# Allegro board 8880F5-0827_txbegin.brd (continued)
## Routing (per net, layer and track width the routed paths; a pad name or vN(x,y) marks a point on that pad's centre or on a via; arc(x,y) is an arc through that point) (continued)
; D122.B14 266.7,82.09 ; D122.B14 266.7,80.47 ; D128.B6 25.4,41.45 ; D128.B6 25.4,39.83 ; D128.B6 24.59,40.64 ; D128.B6 26.21,40.64 ; 184.71,83.82 D317.A11 ; D317.A11 185.42,84.53 ; D317.A11 186.13,83.82 ; D317.A11 185.42,83.11 ; D322.A1 233.68,64.21 ; D322.A1 232.97,63.5 ; D322.A1 234.39,63.5 ; D322.A1 233.68,62.79 ; D123.A13 264.16,54.15 ; D123.A13 263.35,53.34 ; D123.A13 264.16,52.53 ; D123.A13 264.97,53.34 ; 184.61,58.42 D119.B11 ; D119.B11 186.23,58.42 ; D119.B11 185.42,57.61 ; D119.B11 185.42,59.23 ; D305.A15 416.56,84.53 ; D305.A15 416.56,83.11 ; D305.A15 415.85,83.82 ; D305.A15 417.27,83.82 ; D114.A1 347.98,356.41 ; D114.A1 347.98,354.79 ; D114.A1 347.17,355.6 ; D114.A1 348.79,355.6 ; 190.5,409.4 DPS8.C05 ; DPS8.C05 190.5,411.02 ; DPS8.C05 191.31,410.21 ; DPS8.C05 189.69,410.21 ; D109.B7 407.21,330.2 ; D109.B7 406.4,329.39 ; D109.B7 406.4,331.01 ; D109.B7 405.59,330.2 ; D109.A4 414.83,332.74 ; D109.A4 413.21,332.74 ; D109.A4 414.02,331.93 ; D109.A4 414.02,333.55 ; 33.02,77.93 D126.B9 ; D126.B9 33.02,79.55 ; D126.B9 32.21,78.74 ; D126.B9 33.83,78.74 ; 30.48,39.83 D128.B8 ; D128.B8 31.29,40.64 ; D128.B8 30.48,41.45 ; D128.B8 29.67,40.64 ; D111.B16 384.35,368.3 ; D111.B16 383.54,369.11 ; D111.B16 383.54,367.49 ; D111.B16 382.73,368.3 ; D231.B7 185.42,371.65 ; D231.B7 184.61,370.84 ; D231.B7 185.42,370.03 ; D231.B7 186.23,370.84 ; D102.B3 313.23,78.74 ; D102.B3 311.61,78.74 ; D102.B3 312.42,79.55 ; D102.B3 312.42,77.93 ; D301.B3 312.42,89.61 ; D301.B3 313.13,88.9 ; D301.B3 312.42,88.19 ; D301.B3 311.71,88.9 ; 93.17,40.64 D132.B4 ; D132.B4 93.98,39.83 ; D132.B4 93.98,41.45 ; D132.B4 94.79,40.64 ; SITE1.G16 252.63,243.31 ; SITE1.G16 253.11,242.83 ; SITE1.G16 252.15,242.83 ; SITE1.G16 252.63,242.35 ; UNK4U1.4 482.59,186.05 ; UNK4U1.4 483.53,185.11 ; UNK4U1.4 481.65,185.11 ; UNK4U1.4 482.59,184.17 ; D125.B5 23.67,99.06 ; D125.B5 22.05,99.06 ; D125.B5 22.86,99.87 ; D125.B5 22.86,98.25 ; 265.89,332.74 CSDPS225.B4 ; CSDPS225.B4 266.7,331.93 ; CSDPS225.B4 267.51,332.74 ; CSDPS225.B4 266.7,333.55 ; D114.B1 348.79,350.52 ; D114.B1 347.98,349.71 ; D114.B1 347.17,350.52 ; D114.B1 347.98,351.33 ; 330.95,182.83 SITE4.G15 ; SITE4.G15 331.43,182.35 ; SITE4.G15 331.91,182.83 ; SITE4.G15 331.43,183.31 ; 165.1,375.11 D231.A15 ; D231.A15 165.91,375.92 ; D231.A15 165.1,376.73 ; D231.A15 164.29,375.92 ; D112.A16 384.35,393.7 ; D112.A16 382.73,393.7 ; D112.A16 383.54,394.51 ; D112.A16 383.54,392.89 ; SITE1.G2 249.81,241.33 ; SITE1.G2 248.85,241.33 ; SITE1.G2 249.33,240.85 ; SITE1.G2 249.33,241.81 ; D131.B15 122.73,58.42 ; D131.B15 121.11,58.42 ; D131.B15 121.92,59.23 ; D131.B15 121.92,57.61 ; 330.23,245.95 SITE2.G18 ; SITE2.G18 330.23,246.91 ; SITE2.G18 329.75,246.43 ; SITE2.G18 330.71,246.43 ; D122.B13 264.16,79.55 ; D122.B13 264.97,78.74 ; D122.B13 264.16,77.93 ; D122.B13 263.35,78.74 ; D120.B8 178.61,40.64 ; D120.B8 177.8,39.83 ; D120.B8 176.99,40.64 ; D120.B8 177.8,41.45 ; 180.34,67.87 D318.B9 ; D318.B9 179.63,68.58 ; D318.B9 180.34,69.29 ; D318.B9 181.05,68.58 ; 240.49,81.28 D122.B4 ; D122.B4 241.3,80.47 ; D122.B4 241.3,82.09 ; D122.B4 242.11,81.28 ; 195.58,380.19 D431.B3 ; D431.B3 194.77,381 ; D431.B3 195.58,381.81 ; D431.B3 196.39,381 ; D116.B15 313.23,391.16 ; D116.B15 312.42,391.97 ; D116.B15 312.42,390.35 ; D116.B15 311.61,391.16 ; D102.A13 337.82,74.47 ; D102.A13 337.01,73.66 ; D102.A13 337.82,72.85 ; D102.A13 338.63,73.66 ; CSDPS229.C15 165.1,331.01 ; CSDPS229.C15 165.1,329.39 ; CSDPS229.C15 164.29,330.2 ; CSDPS229.C15 165.91,330.2 ; 347.17,391.16 D116.B1 ; D116.B1 347.98,390.35 ; D116.B1 347.98,391.97 ; D116.B1 348.79,391.16 ; D104.B15 343.71,38.1 ; D104.B15 342.9,37.29 ; D104.B15 342.9,38.91 ; D104.B15 342.09,38.1 ; 406.4,395.43 D112.A7 ; D112.A7 407.21,396.24 ; D112.A7 406.4,397.05 ; D112.A7 405.59,396.24 ; D115.B11 322.58,371.65 ; D115.B11 321.77,370.84 ; D115.B11 322.58,370.03 ; D115.B11 323.39,370.84 ; D322.A8 251.46,66.75 ; D322.A8 251.46,65.33 ; D322.A8 252.17,66.04 ; D322.A8 250.75,66.04 ; D131.A14 120.19,55.88 ; D131.A14 119.38,55.07 ; D131.A14 119.38,56.69 ; D131.A14 118.57,55.88 ; 410.77,63.5 D306.A13 ; D306.A13 412.19,63.5 ; D306.A13 411.48,62.79 ; D306.A13 411.48,64.21 ; 387.81,388.62 D112.B14 ; D112.B14 388.62,387.81 ; D112.B14 389.43,388.62 ; D112.B14 388.62,389.43 ; D125.A16 51.61,96.52 ; D125.A16 49.99,96.52 ; D125.A16 50.8,95.71 ; D125.A16 50.8,97.33 ; D129.B15 121.92,99.87 ; D129.B15 121.92,98.25 ; D129.B15 121.11,99.06 ; D129.B15 122.73,99.06 ; CSDPS425.B6 262.43,342.9 ; CSDPS425.B6 260.81,342.9 ; CSDPS425.B6 261.62,342.09 ; CSDPS425.B6 261.62,343.71 ; D126.B12 40.64,82.09 ; D126.B12 39.83,81.28 ; D126.B12 40.64,80.47 ; D126.B12 41.45,81.28 ; 254,88.19 D321.B9 ; D321.B9 253.29,88.9 ; D321.B9 254,89.61 ; D321.B9 254.71,88.9 ; 40.64,100.79 D125.B12 ; D125.B12 39.83,101.6 ; D125.B12 40.64,102.41 ; D125.B12 41.45,101.6 ; D306.A7 396.24,64.21 ; D306.A7 395.53,63.5 ; D306.A7 396.95,63.5 ; D306.A7 396.24,62.79 ; 254,57.61 D123.B9 ; D123.B9 253.19,58.42 ; D123.B9 254,59.23 ; D123.B9 254.81,58.42 ; 413.21,353.06 D110.A4 ; D110.A4 414.02,352.25 ; D110.A4 414.02,353.87 ; D110.A4 414.83,353.06 ; SITE4.G5 332.81,181.33 ; SITE4.G5 331.85,181.33 ; SITE4.G5 332.33,181.81 ; SITE4.G5 332.33,180.85 ; D127.B3 17.78,59.23 ; D127.B3 18.59,58.42 ; D127.B3 16.97,58.42 ; D127.B3 17.78,57.61 ; D306.A14 414.02,66.75 ; D306.A14 413.31,66.04 ; D306.A14 414.02,65.33 ; D306.A14 414.73,66.04 ; 329.39,55.88 D103.A10 ; D103.A10 330.2,56.69 ; D103.A10 330.2,55.07 ; D103.A10 331.01,55.88 ; 253.33,247.45 SITE1.G12 ; SITE1.G12 253.81,247.93 ; SITE1.G12 252.85,247.93 ; SITE1.G12 253.33,248.41 ; 330.2,347.17 D114.B8 ; D114.B8 329.39,347.98 ; D114.B8 331.01,347.98 ; D114.B8 330.2,348.79 ; 189.79,83.82 D317.A13 ; D317.A13 190.5,84.53 ; D317.A13 191.21,83.82 ; D317.A13 190.5,83.11 ; D129.B16 124.46,102.41 ; D129.B16 125.27,101.6 ; D129.B16 123.65,101.6 ; D129.B16 124.46,100.79 ; 406.4,72.85 D106.A11 ; D106.A11 405.59,73.66 ; D106.A11 406.4,74.47 ; D106.A11 407.21,73.66 ; 392.89,60.96 D107.B6 ; D107.B6 393.7,60.15 ; D107.B6 394.51,60.96 ; D107.B6 393.7,61.77 ; D104.A16 346.25,35.56 ; D104.A16 344.63,35.56 ; D104.A16 345.44,36.37 ; D104.A16 345.44,34.75 ; 170.18,32.21 D120.A5 ; D120.A5 170.99,33.02 ; D120.A5 170.18,33.83 ; D120.A5 169.37,33.02 ; D113.B1 347.98,331.01 ; D113.B1 347.98,329.39 ; D113.B1 347.17,330.2 ; D113.B1 348.79,330.2 ; 326.85,370.84 D115.B9 ; D115.B9 327.66,371.65 ; D115.B9 327.66,370.03 ; D115.B9 328.47,370.84 ; DPS8.A11 175.26,416.1 ; DPS8.A11 174.45,415.29 ; DPS8.A11 176.07,415.29 ; DPS8.A11 175.26,414.48 ; 408.94,65.33 D306.A12 ; D306.A12 408.23,66.04 ; D306.A12 408.94,66.75 ; D306.A12 409.65,66.04 ; 518.92,202.51 S4_I2C.4 ; S4_I2C.4 519.86,203.45 ; S4_I2C.4 518.92,204.39 ; S4_I2C.4 517.98,203.45 ; D317.A8 178.51,86.36 ; D317.A8 177.09,86.36 ; D317.A8 177.8,85.65 ; D317.A8 177.8,87.07 ; D120.A3 165.1,33.83 ; D120.A3 165.91,33.02 ; D120.A3 164.29,33.02 ; D120.A3 165.1,32.21 ; D129.A5 97.33,93.98 ; D129.A5 96.52,94.79 ; D129.A5 96.52,93.17 ; D129.A5 95.71,93.98 ; D109.A5 412.29,335.28 ; D109.A5 411.48,334.47 ; D109.A5 410.67,335.28 ; D109.A5 411.48,336.09 ; DPS2.C15 312.42,411.02 ; DPS2.C15 313.23,410.21 ; DPS2.C15 311.61,410.21 ; DPS2.C15 312.42,409.4 ; D119.A13 190.5,54.15 ; D119.A13 190.5,52.53 ; D119.A13 189.69,53.34 ; D119.A13 191.31,53.34 ; 320.04,34.75 D104.A6 ; D104.A6 320.85,35.56 ; D104.A6 319.23,35.56 ; D104.A6 320.04,36.37 ; 347.17,396.24 D116.A1 ; D116.A1 347.98,397.05 ; D116.A1 348.79,396.24 ; D116.A1 347.98,395.43 ; D115.B7 332.74,371.65 ; D115.B7 331.93,370.84 ; D115.B7 332.74,370.03 ; D115.B7 333.55,370.84 ; D322.A2 236.22,66.75 ; D322.A2 236.22,65.33 ; D322.A2 236.93,66.04 ; D322.A2 235.51,66.04 ; D127.B1 12.7,59.23 ; D127.B1 13.51,58.42 ; D127.B1 12.7,57.61 ; D127.B1 11.89,58.42 ; 109.22,34.75 D132.A10 ; D132.A10 109.22,36.37 ; D132.A10 110.03,35.56 ; D132.A10 108.41,35.56 ; D318.B10 182.88,71.83 ; D318.B10 182.17,71.12 ; D318.B10 183.59,71.12 ; D318.B10 182.88,70.41 ; D115.A9 328.47,375.92 ; D115.A9 327.66,375.11 ; D115.A9 326.85,375.92 ; D115.A9 327.66,376.73 ; 320.04,387.81 D116.B12 ; D116.B12 319.23,388.62 ; D116.B12 320.85,388.62 ; D116.B12 320.04,389.43 ; 344.63,327.66 D113.B2 ; D113.B2 346.25,327.66 ; D113.B2 345.44,328.47 ; D113.B2 345.44,326.85 ; 259.08,37.29 D124.B11 ; D124.B11 259.89,38.1 ; D124.B11 258.27,38.1 ; D124.B11 259.08,38.91 ; 232.97,68.58 D322.B1 ; D322.B1 233.68,67.87 ; D322.B1 233.68,69.29 ; D322.B1 234.39,68.58 ; D107.A2 384.35,55.88 ; D107.A2 382.73,55.88 ; D107.A2 383.54,55.07 ; D107.A2 383.54,56.69 ; D108.B15 416.56,38.91 ; D108.B15 415.75,38.1 ; D108.B15 417.37,38.1 ; D108.B15 416.56,37.29 ; 172.01,86.36 D317.A6 ; D317.A6 172.72,87.07 ; D317.A6 172.72,85.65 ; D317.A6 173.43,86.36 ; D321.B3 238.76,89.61 ; D321.B3 238.76,88.19 ; D321.B3 238.05,88.9 ; D321.B3 239.47,88.9 ; D322.B16 271.78,71.83 ; D322.B16 272.49,71.12 ; D322.B16 271.78,70.41 ; D322.B16 271.07,71.12 ; 340.36,331.93 D113.A4 ; D113.A4 341.17,332.74 ; D113.A4 339.55,332.74 ; D113.A4 340.36,333.55 ; 390.35,53.34 D107.A5 ; D107.A5 391.16,52.53 ; D107.A5 391.97,53.34 ; D107.A5 391.16,54.15 ; 251.46,75.39 D122.A8 ; D122.A8 252.27,76.2 ; D122.A8 250.65,76.2 ; D122.A8 251.46,77.01 ; 37.29,78.74 D126.B11 ; D126.B11 38.1,79.55 ; D126.B11 38.1,77.93 ; D126.B11 38.91,78.74 ; 319.23,55.88 D103.A6 ; D103.A6 320.04,56.69 ; D103.A6 320.04,55.07 ; D103.A6 320.85,55.88 ; 504.01,203.45 S2_I2C.4 ; S2_I2C.4 504.95,204.39 ; S2_I2C.4 505.89,203.45 ; S2_I2C.4 504.95,202.51 ; D104.A9 328.47,33.02 ; D104.A9 327.66,32.21 ; D104.A9 327.66,33.83 ; D104.A9 326.85,33.02 ; D115.A14 315.77,373.38 ; D115.A14 314.15,373.38 ; D115.A14 314.96,372.57 ; D115.A14 314.96,374.19 ; D111.A6 408.94,374.19 ; D111.A6 408.13,373.38 ; D111.A6 409.75,373.38 ; D111.A6 408.94,372.57 ; 337.01,396.24 D116.A5 ; D116.A5 337.82,397.05 ; D116.A5 338.63,396.24 ; D116.A5 337.82,395.43 ; D305.B15 416.56,89.61 ; D305.B15 416.56,88.19 ; D305.B15 415.85,88.9 ; D305.B15 417.27,88.9 ; 27.94,52.53 D127.A7 ; D127.A7 28.75,53.34 ; D127.A7 27.94,54.15 ; D127.A7 27.13,53.34 ; 382.73,373.38 D111.A16 ; D111.A16 383.54,372.57 ; D111.A16 383.54,374.19 ; D111.A16 384.35,373.38 ; D126.B8 30.48,82.09 ; D126.B8 30.48,80.47 ; D126.B8 31.29,81.28 ; D126.B8 29.67,81.28 ; 82.37,209.04 S3_I2C.4 ; S3_I2C.4 84.25,209.04 ; S3_I2C.4 83.31,208.1 ; S3_I2C.4 83.31,209.98 ; 190.5,329.39 CSDPS229.C5 ; CSDPS229.C5 191.31,330.2 ; CSDPS229.C5 190.5,331.01 ; CSDPS229.C5 189.69,330.2 ; 165.1,414.48 DPS8.A15 ; DPS8.A15 165.1,416.1 ; DPS8.A15 165.91,415.29 ; DPS8.A15 164.29,415.29 ; SITE3.G20 252.63,186.91 ; SITE3.G20 252.15,186.43 ; SITE3.G20 252.63,185.95 ; SITE3.G20 253.11,186.43 ; 47.45,73.66 D126.A15 ; D126.A15 48.26,72.85 ; D126.A15 49.07,73.66 ; D126.A15 48.26,74.47 ; D129.B14 119.38,102.41 ; D129.B14 120.19,101.6 ; D129.B14 118.57,101.6 ; D129.B14 119.38,100.79 ; D231.B14 168.45,368.3 ; D231.B14 166.83,368.3 ; D231.B14 167.64,369.11 ; D231.B14 167.64,367.49 ; D124.B13 264.97,38.1 ; D124.B13 264.16,38.91 ; D124.B13 263.35,38.1 ; D124.B13 264.16,37.29 ; 396.24,395.43 D112.A11 ; D112.A11 397.05,396.24 ; D112.A11 395.43,396.24 ; D112.A11 396.24,397.05 ; 334.47,40.64 D104.B12 ; D104.B12 336.09,40.64 ; D104.B12 335.28,39.83 ; D104.B12 335.28,41.45 ; D112.B13 391.97,391.16 ; D112.B13 391.16,391.97 ; D112.B13 390.35,391.16 ; D112.B13 391.16,390.35 ; 334.47,35.56 D104.A12 ; D104.A12 335.28,34.75 ; D104.A12 336.09,35.56 ; D104.A12 335.28,36.37 ; D111.B10 398.78,369.11 ; D111.B10 397.97,368.3 ; D111.B10 398.78,367.49 ; D111.B10 399.59,368.3 ; D104.B7 322.58,38.91 ; D104.B7 321.77,38.1 ; D104.B7 322.58,37.29 ; D104.B7 323.39,38.1 ; 198.12,372.57 D231.A2 ; D231.A2 198.12,374.19 ; D231.A2 197.31,373.38 ; D231.A2 198.93,373.38 ; D118.B3 165.1,79.55 ; D118.B3 165.91,78.74 ; D118.B3 165.1,77.93 ; D118.B3 164.29,78.74 ; 190.5,414.48 DPS8.A05 ; DPS8.A05 189.69,415.29 ; DPS8.A05 191.31,415.29 ; DPS8.A05 190.5,416.1 ; D122.A11 259.08,74.47 ; D122.A11 259.08,72.85 ; D122.A11 259.89,73.66 ; D122.A11 258.27,73.66 ; D109.A12 394.51,332.74 ; D109.A12 393.7,333.55 ; D109.A12 393.7,331.93 ; D109.A12 392.89,332.74 ; D116.B3 342.9,391.97 ; D116.B3 343.71,391.16 ; D116.B3 342.9,390.35 ; D116.B3 342.09,391.16 ; D130.B8 104.95,81.28 ; D130.B8 104.14,82.09 ; D130.B8 103.33,81.28 ; D130.B8 104.14,80.47 ; 91.44,93.17 D129.A3 ; D129.A3 92.25,93.98 ; D129.A3 91.44,94.79 ; D129.A3 90.63,93.98 ; 232.87,73.66 D122.A1 ; D122.A1 233.68,74.47 ; D122.A1 233.68,72.85 ; D122.A1 234.49,73.66 ; 342.9,52.53 D103.A15 ; D103.A15 343.71,53.34 ; D103.A15 342.9,54.15 ; D103.A15 342.09,53.34 ; 413.31,71.12 D306.B14 ; D306.B14 414.02,70.41 ; D306.B14 414.02,71.83 ; D306.B14 414.73,71.12 ; D317.A7 175.26,84.53 ; D317.A7 175.97,83.82 ; D317.A7 175.26,83.11 ; D317.A7 174.55,83.82 ; D321.A13 264.16,84.53 ; D321.A13 264.87,83.82 ; D321.A13 263.45,83.82 ; D321.A13 264.16,83.11 ; 411.48,67.87 D306.B13 ; D306.B13 410.77,68.58 ; D306.B13 411.48,69.29 ; D306.B13 412.19,68.58 ; D123.A1 234.49,53.34 ; D123.A1 233.68,52.53 ; D123.A1 232.87,53.34 ; D123.A1 233.68,54.15 ; 187.15,373.38 D231.A6 ; D231.A6 187.96,374.19 ; D231.A6 187.96,372.57 ; D231.A6 188.77,373.38 ; 243.84,32.21 D124.A5 ; D124.A5 244.65,33.02 ; D124.A5 243.84,33.83 ; D124.A5 243.03,33.02 ; 42.37,99.06 D125.B13 ; D125.B13 43.18,98.25 ; D125.B13 43.18,99.87 ; D125.B13 43.99,99.06 ; 332.74,52.53 D103.A11 ; D103.A11 332.74,54.15 ; D103.A11 331.93,53.34 ; D103.A11 333.55,53.34 ; D114.A8 330.2,353.87 ; D114.A8 330.2,352.25 ; D114.A8 331.01,353.06 ; D114.A8 329.39,353.06 ; 180.34,37.29 D120.B9 ; D120.B9 181.15,38.1 ; D120.B9 180.34,38.91 ; D120.B9 179.53,38.1
  L28_SIGNAL w0.074: D123.B14 267.51,60.96 ; D123.B14 265.89,60.96 ; D123.B14 266.7,61.77 ; D123.B14 266.7,60.15 ; 390.35,53.34 D107.A5 ; D107.A5 391.97,53.34 ; D107.A5 391.16,52.53 ; D107.A5 391.16,54.15 ; D306.B1 381,69.29 ; D306.B1 380.29,68.58 ; D306.B1 381.71,68.58 ; D306.B1 381,67.87 ; D112.B8 404.67,388.62 ; D112.B8 403.86,389.43 ; D112.B8 403.86,387.81 ; D112.B8 403.05,388.62 ; 380.29,88.9 D305.B1 ; D305.B1 381,89.61 ; D305.B1 381.71,88.9 ; D305.B1 381,88.19 ; D301.B2 310.59,91.44 ; D301.B2 309.88,90.73 ; D301.B2 309.17,91.44 ; D301.B2 309.88,92.15 ; D112.A4 414.02,394.51 ; D112.A4 414.02,392.89 ; D112.A4 414.83,393.7 ; D112.A4 413.21,393.7 ; 401.32,72.85 D106.A9 ; D106.A9 401.32,74.47 ; D106.A9 400.51,73.66 ; D106.A9 402.13,73.66 ; 271.78,342.09 CSDPS425.B2 ; CSDPS425.B2 270.97,342.9 ; CSDPS425.B2 272.59,342.9 ; CSDPS425.B2 271.78,343.71 ; D111.B5 411.48,371.65 ; D111.B5 411.48,370.03 ; D111.B5 412.29,370.84 ; D111.B5 410.67,370.84 ; D127.B9 33.83,58.42 ; D127.B9 33.02,57.61 ; D127.B9 33.02,59.23 ; D127.B9 32.21,58.42 ; 421.64,354.79 D110.A1 ; D110.A1 420.83,355.6 ; D110.A1 421.64,356.41 ; D110.A1 422.45,355.6 ; 414.02,39.83 D108.B14 ; D108.B14 413.21,40.64 ; D108.B14 414.83,40.64 ; D108.B14 414.02,41.45 ; D113.A8 331.01,332.74 ; D113.A8 329.39,332.74 ; D113.A8 330.2,331.93 ; D113.A8 330.2,333.55 ; 380.19,38.1 D108.B1 ; D108.B1 381,38.91 ; D108.B1 381.81,38.1 ; D108.B1 381,37.29 ; 167.64,85.65 D317.A4 ; D317.A4 168.35,86.36 ; D317.A4 167.64,87.07 ; D317.A4 166.93,86.36 ; D130.B4 94.79,81.28 ; D130.B4 93.98,82.09 ; D130.B4 93.17,81.28 ; D130.B4 93.98,80.47 ; D231.B8 182.88,369.11 ; D231.B8 182.07,368.3 ; D231.B8 183.69,368.3 ; D231.B8 182.88,367.49 ; D102.A3 312.42,74.47 ; D102.A3 311.61,73.66 ; D102.A3 313.23,73.66 ; D102.A3 312.42,72.85 ; 166.83,40.64 D120.B4 ; D120.B4 168.45,40.64 ; D120.B4 167.64,39.83 ; D120.B4 167.64,41.45 ; 316.69,330.2 D113.B13 ; D113.B13 317.5,329.39 ; D113.B13 317.5,331.01 ; D113.B13 318.31,330.2 ; D118.B6 173.53,81.28 ; D118.B6 172.72,82.09 ; D118.B6 172.72,80.47 ; D118.B6 171.91,81.28 ; 193.04,90.73 D317.B14 ; D317.B14 192.33,91.44 ; D317.B14 193.04,92.15 ; D317.B14 193.75,91.44 ; 344.63,388.62 D116.B2 ; D116.B2 345.44,389.43 ; D116.B2 345.44,387.81 ; D116.B2 346.25,388.62 ; 104.14,60.15 D131.B8 ; D131.B8 104.95,60.96 ; D131.B8 103.33,60.96 ; D131.B8 104.14,61.77 ; 243.13,68.58 D322.B5 ; D322.B5 243.84,69.29 ; D322.B5 244.55,68.58 ; D322.B5 243.84,67.87 ; 327.66,77.93 D102.B9 ; D102.B9 328.47,78.74 ; D102.B9 326.85,78.74 ; D102.B9 327.66,79.55 ; 331.93,375.92 D115.A7 ; D115.A7 332.74,375.11 ; D115.A7 332.74,376.73 ; D115.A7 333.55,375.92 ; D114.A2 346.25,353.06 ; D114.A2 345.44,352.25 ; D114.A2 345.44,353.87 ; D114.A2 344.63,353.06 ; D131.A11 112.57,53.34 ; D131.A11 111.76,52.53 ; D131.A11 111.76,54.15 ; D131.A11 110.95,53.34 ; 180.34,77.93 D118.B9 ; D118.B9 179.53,78.74 ; D118.B9 180.34,79.55 ; D118.B9 181.15,78.74 ; DPS8.A11 175.26,416.1 ; DPS8.A11 176.07,415.29 ; DPS8.A11 175.26,414.48 ; DPS8.A11 174.45,415.29 ; 38.1,77.93 D126.B11 ; D126.B11 38.1,79.55 ; D126.B11 38.91,78.74 ; D126.B11 37.29,78.74 ; 347.17,370.84 D115.B1 ; D115.B1 347.98,370.03 ; D115.B1 348.79,370.84 ; D115.B1 347.98,371.65 ; D108.A2 384.35,35.56 ; D108.A2 382.73,35.56 ; D108.A2 383.54,36.37 ; D108.A2 383.54,34.75 ; D301.B14 340.36,92.15 ; D301.B14 339.65,91.44 ; D301.B14 340.36,90.73 ; D301.B14 341.07,91.44 ; 241.3,70.41 D322.B4 ; D322.B4 240.59,71.12 ; D322.B4 241.3,71.83 ; D322.B4 242.01,71.12 ; D318.B2 163.27,71.12 ; D318.B2 161.85,71.12 ; D318.B2 162.56,70.41 ; D318.B2 162.56,71.83 ; 166.83,332.74 CSDPS229.B14 ; CSDPS229.B14 167.64,333.55 ; CSDPS229.B14 168.45,332.74 ; CSDPS229.B14 167.64,331.93 ; D129.B13 117.65,99.06 ; D129.B13 116.84,98.25 ; D129.B13 116.03,99.06 ; D129.B13 116.84,99.87 ; 85.55,99.06 D129.B1 ; D129.B1 87.17,99.06 ; D129.B1 86.36,99.87 ; D129.B1 86.36,98.25 ; 42.37,93.98 D125.A13 ; D125.A13 43.99,93.98 ; D125.A13 43.18,94.79 ; D125.A13 43.18,93.17 ; D127.A15 48.26,54.15 ; D127.A15 47.45,53.34 ; D127.A15 49.07,53.34 ; D127.A15 48.26,52.53 ; D108.B5 391.97,38.1 ; D108.B5 391.16,37.29 ; D108.B5 391.16,38.91 ; D108.B5 390.35,38.1 ; UNK4U1.4 482.59,186.05 ; UNK4U1.4 481.65,185.11 ; UNK4U1.4 483.53,185.11 ; UNK4U1.4 482.59,184.17 ; 105.87,58.42 D131.B9 ; D131.B9 106.68,57.61 ; D131.B9 106.68,59.23 ; D131.B9 107.49,58.42 ; 386.08,390.35 D112.B15 ; D112.B15 385.27,391.16 ; D112.B15 386.89,391.16 ; D112.B15 386.08,391.97 ; D103.B11 332.74,59.23 ; D103.B11 333.55,58.42 ; D103.B11 332.74,57.61 ; D103.B11 331.93,58.42 ; 169.37,375.92 D231.A13 ; D231.A13 170.99,375.92 ; D231.A13 170.18,375.11 ; D231.A13 170.18,376.73 ; 271.78,90.73 D321.B16 ; D321.B16 271.07,91.44 ; D321.B16 272.49,91.44 ; D321.B16 271.78,92.15 ; 235.51,71.12 D322.B2 ; D322.B2 236.93,71.12 ; D322.B2 236.22,71.83 ; D322.B2 236.22,70.41 ; DPS8.C01 200.66,411.02 ; DPS8.C01 200.66,409.4 ; DPS8.C01 201.47,410.21 ; DPS8.C01 199.85,410.21 ; 387.91,71.12 D306.B4 ; D306.B4 388.62,71.83 ; D306.B4 389.33,71.12 ; D306.B4 388.62,70.41 ; 265.99,66.04 D322.A14 ; D322.A14 266.7,65.33 ; D322.A14 266.7,66.75 ; D322.A14 267.41,66.04 ; 319.33,86.36 D301.A6 ; D301.A6 320.04,85.65 ; D301.A6 320.75,86.36 ; D301.A6 320.04,87.07 ; 331.93,335.28 D113.A7 ; D113.A7 332.74,336.09 ; D113.A7 333.55,335.28 ; D113.A7 332.74,334.47 ; D318.A14 193.75,66.04 ; D318.A14 192.33,66.04 ; D318.A14 193.04,65.33 ; D318.A14 193.04,66.75 ; 419.1,60.15 D107.B16 ; D107.B16 419.1,61.77 ; D107.B16 419.91,60.96 ; D107.B16 418.29,60.96 ; 405.59,38.1 D108.B11 ; D108.B11 406.4,37.29 ; D108.B11 407.21,38.1 ; D108.B11 406.4,38.91 ; 334.47,60.96 D103.B12 ; D103.B12 336.09,60.96 ; D103.B12 335.28,61.77 ; D103.B12 335.28,60.15 ; 388.62,60.15 D107.B4 ; D107.B4 389.43,60.96 ; D107.B4 387.81,60.96 ; D107.B4 388.62,61.77 ; D128.A7 27.94,33.83 ; D128.A7 28.75,33.02 ; D128.A7 27.94,32.21 ; D128.A7 27.13,33.02 ; D123.B15 269.24,59.23 ; D123.B15 268.43,58.42 ; D123.B15 269.24,57.61 ; D123.B15 270.05,58.42 ; 307.34,77.93 D102.B1 ; D102.B1 307.34,79.55 ; D102.B1 308.15,78.74 ; D102.B1 306.53,78.74 ; D110.A13 391.97,355.6 ; D110.A13 390.35,355.6 ; D110.A13 391.16,356.41 ; D110.A13 391.16,354.79 ; 185.42,329.39 CSDPS229.C7 ; CSDPS229.C7 185.42,331.01 ; CSDPS229.C7 186.23,330.2 ; CSDPS229.C7 184.61,330.2 ; D125.B7 28.75,99.06 ; D125.B7 27.94,98.25 ; D125.B7 27.94,99.87 ; D125.B7 27.13,99.06 ; D124.A5 244.65,33.02 ; D124.A5 243.84,33.83 ; D124.A5 243.03,33.02 ; D124.A5 243.84,32.21 ; D317.B2 162.56,92.15 ; D317.B2 163.27,91.44 ; D317.B2 161.85,91.44 ; D317.B2 162.56,90.73 ; 171.91,40.64 D120.B6 ; D120.B6 172.72,41.45 ; D120.B6 173.53,40.64 ; D120.B6 172.72,39.83 ; 331.93,73.66 D102.A11 ; D102.A11 332.74,72.85 ; D102.A11 333.55,73.66 ; D102.A11 332.74,74.47 ; SITE1.G19 251.91,246.43 ; SITE1.G19 251.43,246.91 ; SITE1.G19 250.95,246.43 ; SITE1.G19 251.43,245.95 ; D118.A2 162.56,77.01 ; D118.A2 162.56,75.39 ; D118.A2 161.75,76.2 ; D118.A2 163.37,76.2 ; 255.83,66.04 D322.A10 ; D322.A10 256.54,65.33 ; D322.A10 257.25,66.04 ; D322.A10 256.54,66.75 ; 189.69,38.1 D120.B13 ; D120.B13 190.5,38.91 ; D120.B13 190.5,37.29 ; D120.B13 191.31,38.1 ; 253.33,247.45 SITE1.G12 ; SITE1.G12 252.85,247.93 ; SITE1.G12 253.81,247.93 ; SITE1.G12 253.33,248.41 ; D431.B17 160.83,381 ; D431.B17 160.02,381.81 ; D431.B17 160.02,380.19 ; D431.B17 159.21,381 ; D122.A11 259.08,74.47 ; D122.A11 259.08,72.85 ; D122.A11 258.27,73.66 ; D122.A11 259.89,73.66 ; 306.53,38.1 D104.B1 ; D104.B1 307.34,37.29 ; D104.B1 308.15,38.1 ; D104.B1 307.34,38.91 ; D301.B5 317.5,89.61 ; D301.B5 318.21,88.9 ; D301.B5 316.79,88.9 ; D301.B5 317.5,88.19 ; 342.9,395.43 D116.A3 ; D116.A3 342.09,396.24 ; D116.A3 343.71,396.24 ; D116.A3 342.9,397.05 ; D116.A16 309.88,394.51 ; D116.A16 310.69,393.7 ; D116.A16 309.88,392.89 ; D116.A16 309.07,393.7 ; 235.41,342.9 CSDPS425.B16 ; CSDPS425.B16 237.03,342.9 ; CSDPS425.B16 236.22,343.71 ; CSDPS425.B16 236.22,342.09 ; D306.B13 412.19,68.58 ; D306.B13 411.48,67.87 ; D306.B13 411.48,69.29 ; D306.B13 410.77,68.58 ; 342.09,53.34 D103.A15 ; D103.A15 342.9,54.15 ; D103.A15 343.71,53.34 ; D103.A15 342.9,52.53 ; 105.87,38.1 D132.B9 ; D132.B9 106.68,38.91 ; D132.B9 107.49,38.1 ; D132.B9 106.68,37.29 ; 309.07,81.28 D102.B2 ; D102.B2 309.88,82.09 ; D102.B2 309.88,80.47 ; D102.B2 310.69,81.28 ; 248.92,67.87 D322.B7 ; D322.B7 248.92,69.29 ; D322.B7 248.21,68.58 ; D322.B7 249.63,68.58 ; 189.69,386.08 D431.A5 ; D431.A5 190.5,385.27 ; D431.A5 191.31,386.08 ; D431.A5 190.5,386.89 ; 187.96,331.93 CSDPS229.B6 ; CSDPS229.B6 187.96,333.55 ; CSDPS229.B6 187.15,332.74 ; CSDPS229.B6 188.77,332.74 ; 332.74,354.79 D114.A7 ; D114.A7 331.93,355.6 ; D114.A7 333.55,355.6 ; D114.A7 332.74,356.41 ; 391.16,77.93 D106.B5 ; D106.B5 391.16,79.55 ; D106.B5 390.35,78.74 ; D106.B5 391.97,78.74 ; D102.B15 343.71,78.74 ; D102.B15 342.9,79.55 ; D102.B15 342.09,78.74 ; D102.B15 342.9,77.93 ; 245.57,332.74 CSDPS225.B12 ; CSDPS225.B12 246.38,331.93 ; CSDPS225.B12 246.38,333.55 ; CSDPS225.B12 247.19,332.74 ; 311.61,396.24 D116.A15 ; D116.A15 312.42,395.43 ; D116.A15 313.23,396.24 ; D116.A15 312.42,397.05 ; 325.12,75.39 D102.A8 ; D102.A8 324.31,76.2 ; D102.A8 325.93,76.2 ; D102.A8 325.12,77.01 ; D129.B5 96.52,99.87 ; D129.B5 95.71,99.06 ; D129.B5 97.33,99.06 ; D129.B5 96.52,98.25 ; 340.36,39.83 D104.B14 ; D104.B14 339.55,40.64 ; D104.B14 341.17,40.64 ; D104.B14 340.36,41.45 ; 268.43,73.66 D122.A15 ; D122.A15 270.05,73.66 ; D122.A15 269.24,74.47 ; D122.A15 269.24,72.85 ; SITE3.G17 249.03,186.91 ; SITE3.G17 249.03,185.95 ; SITE3.G17 248.55,186.43 ; SITE3.G17 249.51,186.43 ; 233.68,32.21 D124.A1 ; D124.A1 233.68,33.83 ; D124.A1 232.87,33.02 ; D124.A1 234.49,33.02 ; D120.A2 163.37,35.56 ; D120.A2 162.56,34.75 ; D120.A2 161.75,35.56 ; D120.A2 162.56,36.37 ; DPS2.C11 323.39,410.21 ; DPS2.C11 322.58,411.02 ; DPS2.C11 321.77,410.21 ; DPS2.C11 322.58,409.4 ; 317.5,395.43 D116.A13 ; D116.A13 317.5,397.05 ; D116.A13 316.69,396.24 ; D116.A13 318.31,396.24 ; SITE3.G18 250.23,186.91 ; SITE3.G18 250.71,186.43 ; SITE3.G18 249.75,186.43 ; SITE3.G18 250.23,185.95 ; 16.97,73.66 D126.A3 ; D126.A3 17.78,72.85 ; D126.A3 18.59,73.66 ; D126.A3 17.78,74.47 ; D431.A8 183.69,383.54 ; D431.A8 182.88,382.73 ; D431.A8 182.88,384.35 ; D431.A8 182.07,383.54 ; D108.B9 401.32,38.91 ; D108.B9 400.51,38.1 ; D108.B9 402.13,38.1 ; D108.B9 401.32,37.29 ; D322.A2 236.93,66.04 ; D322.A2 236.22,65.33 ; D322.A2 235.51,66.04 ; D322.A2 236.22,66.75 ; D126.B14 46.53,81.28 ; D126.B14 45.72,82.09 ; D126.B14 44.91,81.28 ; D126.B14 45.72,80.47 ; 332.74,349.71 D114.B7 ; D114.B7 331.93,350.52 ; D114.B7 332.74,351.33 ; D114.B7 333.55,350.52 ; D317.B11 185.42,89.61 ; D317.B11 186.13,88.9 ; D317.B11 185.42,88.19 ; D317.B11 184.71,88.9 ; D130.B12 114.3,82.09 ; D130.B12 113.49,81.28 ; D130.B12 114.3,80.47 ; D130.B12 115.11,81.28 ; 170.18,37.29 D120.B5 ; D120.B5 169.37,38.1 ; D120.B5 170.18,38.91 ; D120.B5 170.99,38.1 ; 314.15,40.64 D104.B4 ; D104.B4 315.77,40.64 ; D104.B4 314.96,41.45 ; D104.B4 314.96,39.83 ; D115.A8 330.2,374.19 ; D115.A8 330.2,372.57 ; D115.A8 329.39,373.38 ; D115.A8 331.01,373.38 ; CSDPS429.B6 188.77,342.9 ; CSDPS429.B6 187.96,342.09 ; CSDPS429.B6 187.15,342.9 ; CSDPS429.B6 187.96,343.71 ; 405.59,370.84 D111.B7 ; D111.B7 406.4,371.65 ; D111.B7 407.21,370.84 ; D111.B7 406.4,370.03 ; D118.B5 170.99,78.74 ; D118.B5 170.18,77.93 ; D118.B5 170.18,79.55 ; D118.B5 169.37,78.74 ; 253.29,63.5 D322.A9 ; D322.A9 254,64.21 ; D322.A9 254,62.79 ; D322.A9 254.71,63.5 ; 264.16,52.53 D123.A13 ; D123.A13 264.16,54.15 ; D123.A13 263.35,53.34 ; D123.A13 264.97,53.34 ; 260.81,342.9 CSDPS425.B6 ; CSDPS425.B6 261.62,342.09 ; CSDPS425.B6 262.43,342.9 ; CSDPS425.B6 261.62,343.71 ; SITE2.G3 330.33,241.81 ; SITE2.G3 330.33,240.85 ; SITE2.G3 329.85,241.33 ; SITE2.G3 330.81,241.33 ; D109.B10 398.78,328.47 ; D109.B10 398.78,326.85 ; D109.B10 399.59,327.66 ; D109.B10 397.97,327.66 ; 246.38,65.33 D322.A6 ; D322.A6 245.67,66.04 ; D322.A6 246.38,66.75 ; D322.A6 247.09,66.04 ; 415.75,330.2 D109.B3 ; D109.B3 416.56,329.39 ; D109.B3 417.37,330.2 ; D109.B3 416.56,331.01 ; D118.A12 188.77,76.2 ; D118.A12 187.96,77.01 ; D118.A12 187.96,75.39 ; D118.A12 187.15,76.2 ; 175.26,57.61 D119.B7 ; D119.B7 175.26,59.23 ; D119.B7 174.45,58.42 ; D119.B7 176.07,58.42 ; 314.96,326.85 D113.B14 ; D113.B14 314.15,327.66 ; D113.B14 314.96,328.47 ; D113.B14 315.77,327.66 ; D112.A16 383.54,394.51 ; D112.A16 382.73,393.7 ; D112.A16 383.54,392.89 ; D112.A16 384.35,393.7 ; 187.96,80.47 D118.B12 ; D118.B12 188.77,81.28 ; D118.B12 187.15,81.28 ; D118.B12 187.96,82.09 ; 388.62,331.93 D109.A14 ; D109.A14 387.81,332.74 ; D109.A14 388.62,333.55 ; D109.A14 389.43,332.74 ; 345.44,347.17 D114.B2 ; D114.B2 346.25,347.98 ; D114.B2 344.63,347.98 ; D114.B2 345.44,348.79 ; D131.A8 104.95,55.88 ; D131.A8 103.33,55.88 ; D131.A8 104.14,56.69 ; D131.A8 104.14,55.07 ; 397.97,332.74 D109.A10 ; D109.A10 399.59,332.74 ; D109.A10 398.78,333.55 ; D109.A10 398.78,331.93 ; 406.4,77.93 D106.B11 ; D106.B11 406.4,79.55 ; D106.B11 405.59,78.74 ; D106.B11 407.21,78.74 ; D120.B15 196.39,38.1 ; D120.B15 195.58,37.29 ; D120.B15 194.77,38.1 ; D120.B15 195.58,38.91 ; D126.A14 46.53,76.2 ; D126.A14 44.91,76.2 ; D126.A14 45.72,77.01 ; D126.A14 45.72,75.39 ; 95.71,73.66 D130.A5 ; D130.A5 96.52,74.47 ; D130.A5 97.33,73.66 ; D130.A5 96.52,72.85 ; 381,57.61 D107.B1 ; D107.B1 380.19,58.42 ; D107.B1 381.81,58.42 ; D107.B1 381,59.23 ; D115.B14 314.96,369.11 ; D115.B14 314.15,368.3 ; D115.B14 315.77,368.3 ; D115.B14 314.96,367.49 ; D115.A6 336.09,373.38 ; D115.A6 335.28,374.19 ; D115.A6 335.28,372.57 ; D115.A6 334.47,373.38 ; 328.85,241.33 SITE2.G2 ; SITE2.G2 329.33,240.85 ; SITE2.G2 329.33,241.81 ; SITE2.G2 329.81,241.33 ; 249.85,241.33 SITE1.G3 ; SITE1.G3 250.33,241.81 ; SITE1.G3 250.81,241.33 ; SITE1.G3 250.33,240.85 ; D317.B16 198.12,92.15 ; D317.B16 198.12,90.73 ; D317.B16 197.41,91.44 ; D317.B16 198.83,91.44 ; 256.54,60.15 D123.B10 ; D123.B10 257.35,60.96 ; D123.B10 256.54,61.77 ; D123.B10 255.73,60.96 ; 260.81,55.88 D123.A12 ; D123.A12 261.62,55.07 ; D123.A12 261.62,56.69 ; D123.A12 262.43,55.88 ; D107.A1 381,54.15 ; D107.A1 381.81,53.34 ; D107.A1 381,52.53 ; D107.A1 380.19,53.34 ; D231.B17 160.83,370.84 ; D231.B17 160.02,371.65 ; D231.B17 159.21,370.84 ; D231.B17 160.02,370.03 ; D120.A5 170.18,33.83 ; D120.A5 170.18,32.21 ; D120.A5 170.99,33.02 ; D120.A5 169.37,33.02 ; 401.32,77.93 D106.B9 ; D106.B9 402.13,78.74 ; D106.B9 401.32,79.55 ; D106.B9 400.51,78.74 ; 195.58,72.85 D118.A15 ; D118.A15 196.39,73.66 ; D118.A15 194.77,73.66 ; D118.A15 195.58,74.47 ; 320.04,39.83 D104.B6 ; D104.B6 320.85,40.64 ; D104.B6 319.23,40.64 ; D104.B6 320.04,41.45 ; D128.B9 33.83,38.1 ; D128.B9 32.21,38.1 ; D128.B9 33.02,37.29 ; D128.B9 33.02,38.91 ; D431.B7 185.42,381.81 ; D431.B7 186.23,381 ; D431.B7 184.61,381 ; D431.B7 185.42,380.19 ; 167.64,382.73 D431.A14 ; D431.A14 166.83,383.54 ; D431.A14 168.45,383.54 ; D431.A14 167.64,384.35 ; 192.23,81.28 D118.B14 ; D118.B14 193.04,80.47 ; D118.B14 193.04,82.09 ; D118.B14 193.85,81.28 ; D231.A11 176.07,375.92 ; D231.A11 175.26,376.73 ; D231.A11 175.26,375.11 ; D231.A11 174.45,375.92 ; 380.19,78.74 D106.B1 ; D106.B1 381,77.93 ; D106.B1 381,79.55 ; D106.B1 381.81,78.74 ; 416.56,77.93 D106.B15 ; D106.B15 416.56,79.55 ; D106.B15 417.37,78.74 ; D106.B15 415.75,78.74 ; 325.12,347.17 D114.B10 ; D114.B10 324.31,347.98 ; D114.B10 325.12,348.79 ; D114.B10 325.93,347.98 ; D128.B12 40.64,41.45 ; D128.B12 40.64,39.83 ; D128.B12 39.83,40.64 ; D128.B12 41.45,40.64 ; D123.A9 254,54.15 ; D123.A9 253.19,53.34 ; D123.A9 254.81,53.34 ; D123.A9 254,52.53 ; 401.32,57.61 D107.B9 ; D107.B9 402.13,58.42 ; D107.B9 401.32,59.23 ; D107.B9 400.51,58.42 ; 37.29,93.98 D125.A11 ; D125.A11 38.1,93.17 ; D125.A11 38.91,93.98 ; D125.A11 38.1,94.79 ; 97.4,174.52 UNK3U2.4 ; UNK3U2.4 97.4,176.4 ; UNK3U2.4 98.34,175.46 ; UNK3U2.4 96.46,175.46 ; D321.A16 271.78,87.07 ; D321.A16 271.78,85.65 ; D321.A16 271.07,86.36 ; D321.A16 272.49,86.36 ; D305.A6 394.41,86.36 ; D305.A6 393.7,85.65 ; D305.A6 393.7,87.07 ; D305.A6 392.99,86.36 ; D302.B8 325.83,71.12 ; D302.B8 325.12,71.83 ; D302.B8 325.12,70.41 ; D302.B8 324.41,71.12 ; 400.51,335.28 D109.A9 ; D109.A9 401.32,334.47 ; D109.A9 401.32,336.09 ; D109.A9 402.13,335.28 ; 410.77,83.82 D305.A13 ; D305.A13 411.48,84.53 ; D305.A13 412.19,83.82 ; D305.A13 411.48,83.11 ; D132.B8 104.95,40.64 ; D132.B8 104.14,39.83 ; D132.B8 103.33,40.64 ; D132.B8 104.14,41.45 ; D109.B1 422.45,330.2 ; D109.B1 421.64,331.01 ; D109.B1 420.83,330.2 ; D109.B1 421.64,329.39 ; 14.43,40.64 D128.B2 ; D128.B2 15.24,41.45 ; D128.B2 16.05,40.64 ; D128.B2 15.24,39.83 ; 47.45,93.98 D125.A15 ; D125.A15 48.26,93.17 ; D125.A15 49.07,93.98 ; D125.A15 48.26,94.79 ; D109.A8 403.86,333.55 ; D109.A8 403.05,332.74 ; D109.A8 404.67,332.74 ; D109.A8 403.86,331.93 ; 271.07,71.12 D322.B16 ; D322.B16 271.78,71.83 ; D322.B16 271.78,70.41 ; D322.B16 272.49,71.12 ; 167.64,80.47 D118.B4 ; D118.B4 167.64,82.09 ; D118.B4 168.45,81.28 ; D118.B4 166.83,81.28 ; 241.3,331.93 CSDPS225.B14 ; CSDPS225.B14 242.11,332.74 ; CSDPS225.B14 240.49,332.74 ; CSDPS225.B14 241.3,333.55 ; D122.B12 261.62,82.09 ; D122.B12 262.43,81.28 ; D122.B12 261.62,80.47 ; D122.B12 260.81,81.28 ; D123.A15 269.24,54.15 ; D123.A15 268.43,53.34 ; D123.A15 270.05,53.34 ; D123.A15 269.24,52.53 ; 240.59,66.04 D322.A4 ; D322.A4 241.3,65.33 ; D322.A4 242.01,66.04 ; D322.A4 241.3,66.75 ; 408.94,326.85 D109.B6 ; D109.B6 408.94,328.47 ; D109.B6 408.13,327.66 ; D109.B6 409.75,327.66 ; 106.68,93.17 D129.A9 ; D129.A9 105.87,93.98 ; D129.A9 107.49,93.98 ; D129.A9 106.68,94.79 ; 393.7,55.07 D107.A6 ; D107.A6 393.7,56.69 ; D107.A6 394.51,55.88 ; D107.A6 392.89,55.88 ; CSDPS429.C5 191.31,340.36 ; CSDPS429.C5 190.5,341.17 ; CSDPS429.C5 189.69,340.36 ; CSDPS429.C5 190.5,339.55 ; 347.17,410.21 DPS2.C01 ; DPS2.C01 347.98,411.02 ; DPS2.C01 348.79,410.21 ; DPS2.C01 347.98,409.4 ; 324.41,66.04 D302.A8 ; D302.A8 325.12,66.75 ; D302.A8 325.12,65.33 ; D302.A8 325.83,66.04 ; DPS2.A01 348.79,415.29 ; DPS2.A01 347.17,415.29 ; DPS2.A01 347.98,414.48 ; DPS2.A01 347.98,416.1 ; D119.B2 162.56,61.77 ; D119.B2 162.56,60.15 ; D119.B2 163.37,60.96 ; D119.B2 161.75,60.96 ; D123.A10 257.35,55.88 ; D123.A10 256.54,56.69 ; D123.A10 256.54,55.07 ; D123.A10 255.73,55.88 ; 236.22,34.75 D124.A2 ; D124.A2 235.41,35.56 ; D124.A2 236.22,36.37 ; D124.A2 237.03,35.56 ; D111.A14 388.62,374.19 ; D111.A14 388.62,372.57 ; D111.A14 389.43,373.38 ; D111.A14 387.81,373.38 ; 418.39,86.36 D305.A16 ; D305.A16 419.81,86.36 ; D305.A16 419.1,87.07 ; D305.A16 419.1,85.65 ; D132.A7 102.41,33.02 ; D132.A7 101.6,33.83 ; D132.A7 100.79,33.02 ; D132.A7 101.6,32.21 ; CSDPS229.B2 198.12,333.55 ; CSDPS229.B2 198.93,332.74 ; CSDPS229.B2 198.12,331.93 ; CSDPS229.B2 197.31,332.74 ; 238.76,57.61 D123.B3 ; D123.B3 237.95,58.42 ; D123.B3 239.57,58.42 ; D123.B3 238.76,59.23 ; D124.B9 254.81,38.1 ; D124.B9 254,37.29 ; D124.B9 254,38.91 ; D124.B9 253.19,38.1 ; 47.45,73.66 D126.A15 ; D126.A15 48.26,72.85 ; D126.A15 49.07,73.66 ; D126.A15 48.26,74.47 ; 337.01,33.02 D104.A13 ; D104.A13 337.82,32.21 ; D104.A13 337.82,33.83 ; D104.A13 338.63,33.02 ; 337.82,37.29 D104.B13 ; D104.B13 338.63,38.1 ; D104.B13 337.82,38.91 ; D104.B13 337.01,38.1 ; D231.A10 178.61,373.38 ; D231.A10 177.8,372.57 ; D231.A10 177.8,374.19 ; D231.A10 176.99,373.38 ; D129.B10 110.03,101.6 ; D129.B10 108.41,101.6 ; D129.B10 109.22,100.79 ; D129.B10 109.22,102.41 ; 22.05,99.06 D125.B5 ; D125.B5 23.67,99.06 ; D125.B5 22.86,99.87 ; D125.B5 22.86,98.25 ; 321.77,355.6 D114.A11 ; D114.A11 322.58,354.79 ; D114.A11 322.58,356.41 ; D114.A11 323.39,355.6 ; SITE2.G12 333.81,247.93 ; SITE2.G12 333.33,247.45 ; SITE2.G12 333.33,248.41 ; SITE2.G12 332.85,247.93 ; 264.16,72.85 D122.A13 ; D122.A13 264.97,73.66 ; D122.A13 263.35,73.66 ; D122.A13 264.16,74.47 ; D103.A16 345.44,56.69 ; D103.A16 346.25,55.88 ; D103.A16 344.63,55.88 ; D103.A16 345.44,55.07 ; D118.A14 193.85,76.2 ; D118.A14 192.23,76.2 ; D118.A14 193.04,77.01 ; D118.A14 193.04,75.39 ; 329.39,76.2 D102.A10 ; D102.A10 330.2,75.39 ; D102.A10 330.2,77.01 ; D102.A10 331.01,76.2 ; D321.A13 264.87,83.82 ; D321.A13 264.16,83.11 ; D321.A13 264.16,84.53 